# Altium PCB V1.PcbDoc (part 1 of 2)
Units mm, origin at the board's own origin, x right, y up, seen from the top; angles counter-clockwise.
Board outline 284.69 x 94.19 mm, 2 copper layers (Top Layer, Bottom Layer); 180 components, 112 nets, 773 pads, 156 vias.
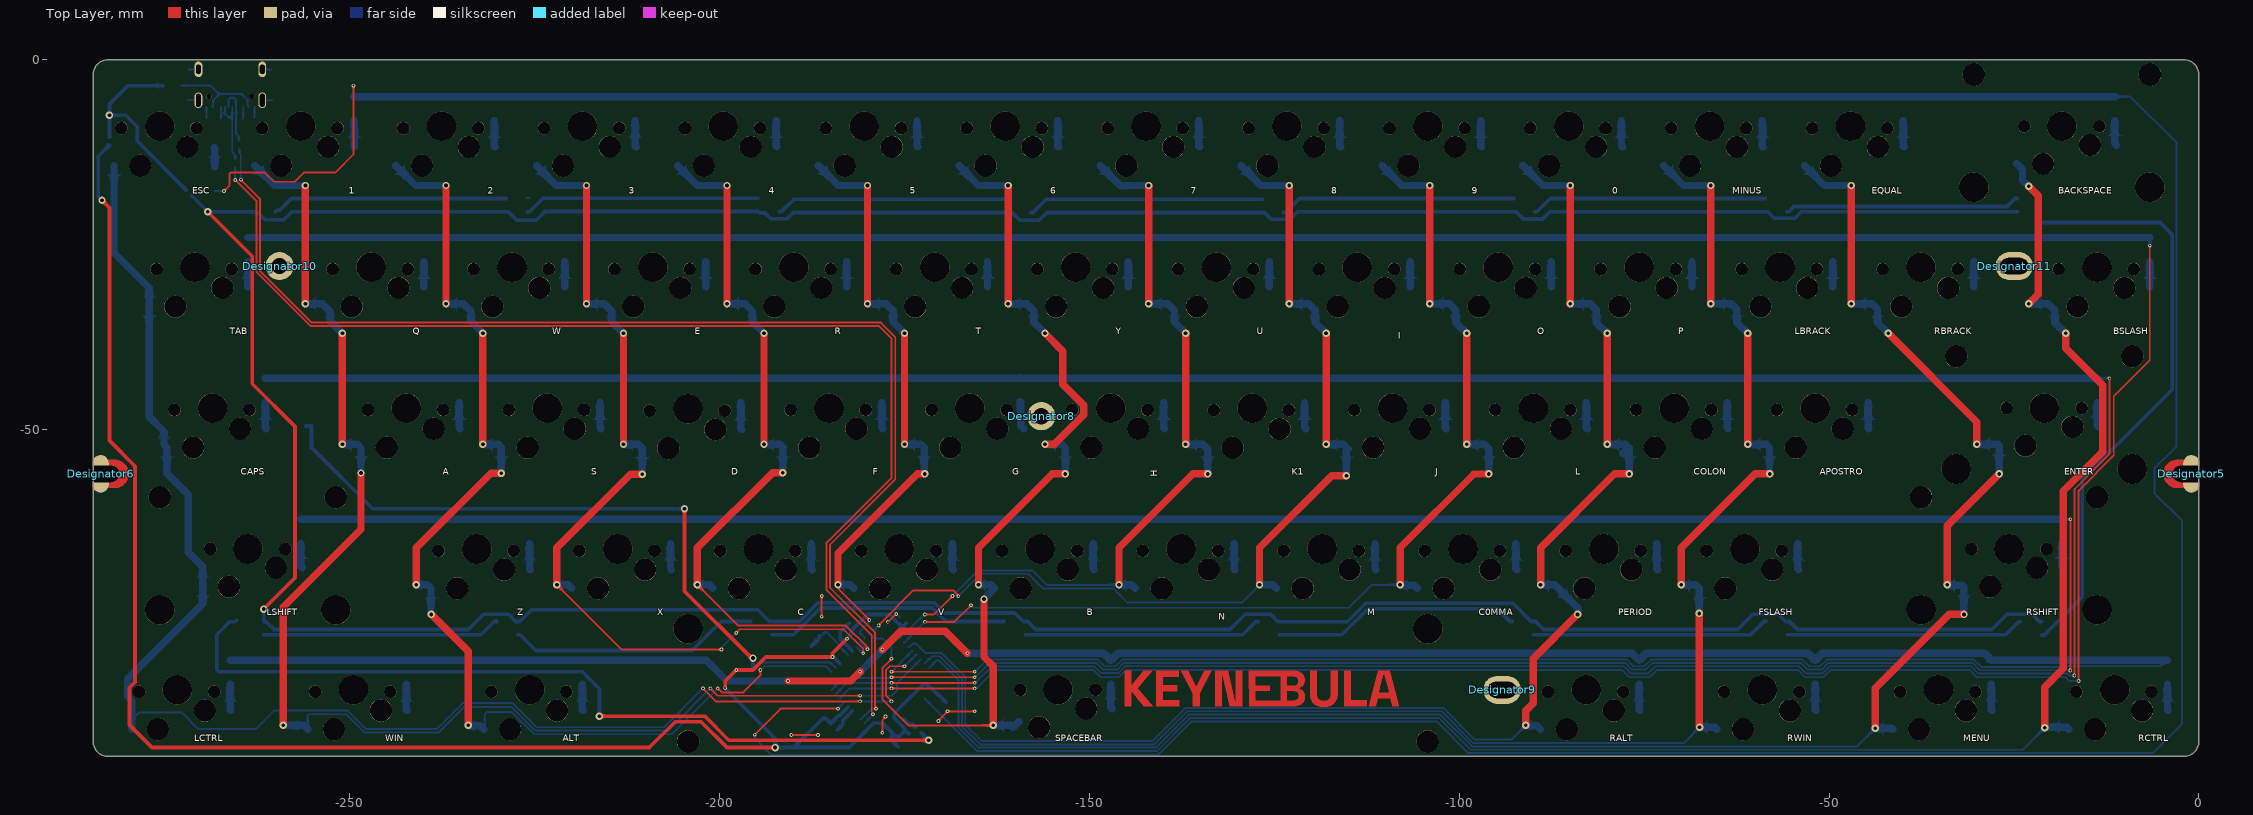
[diagram p0: Top Layer view]
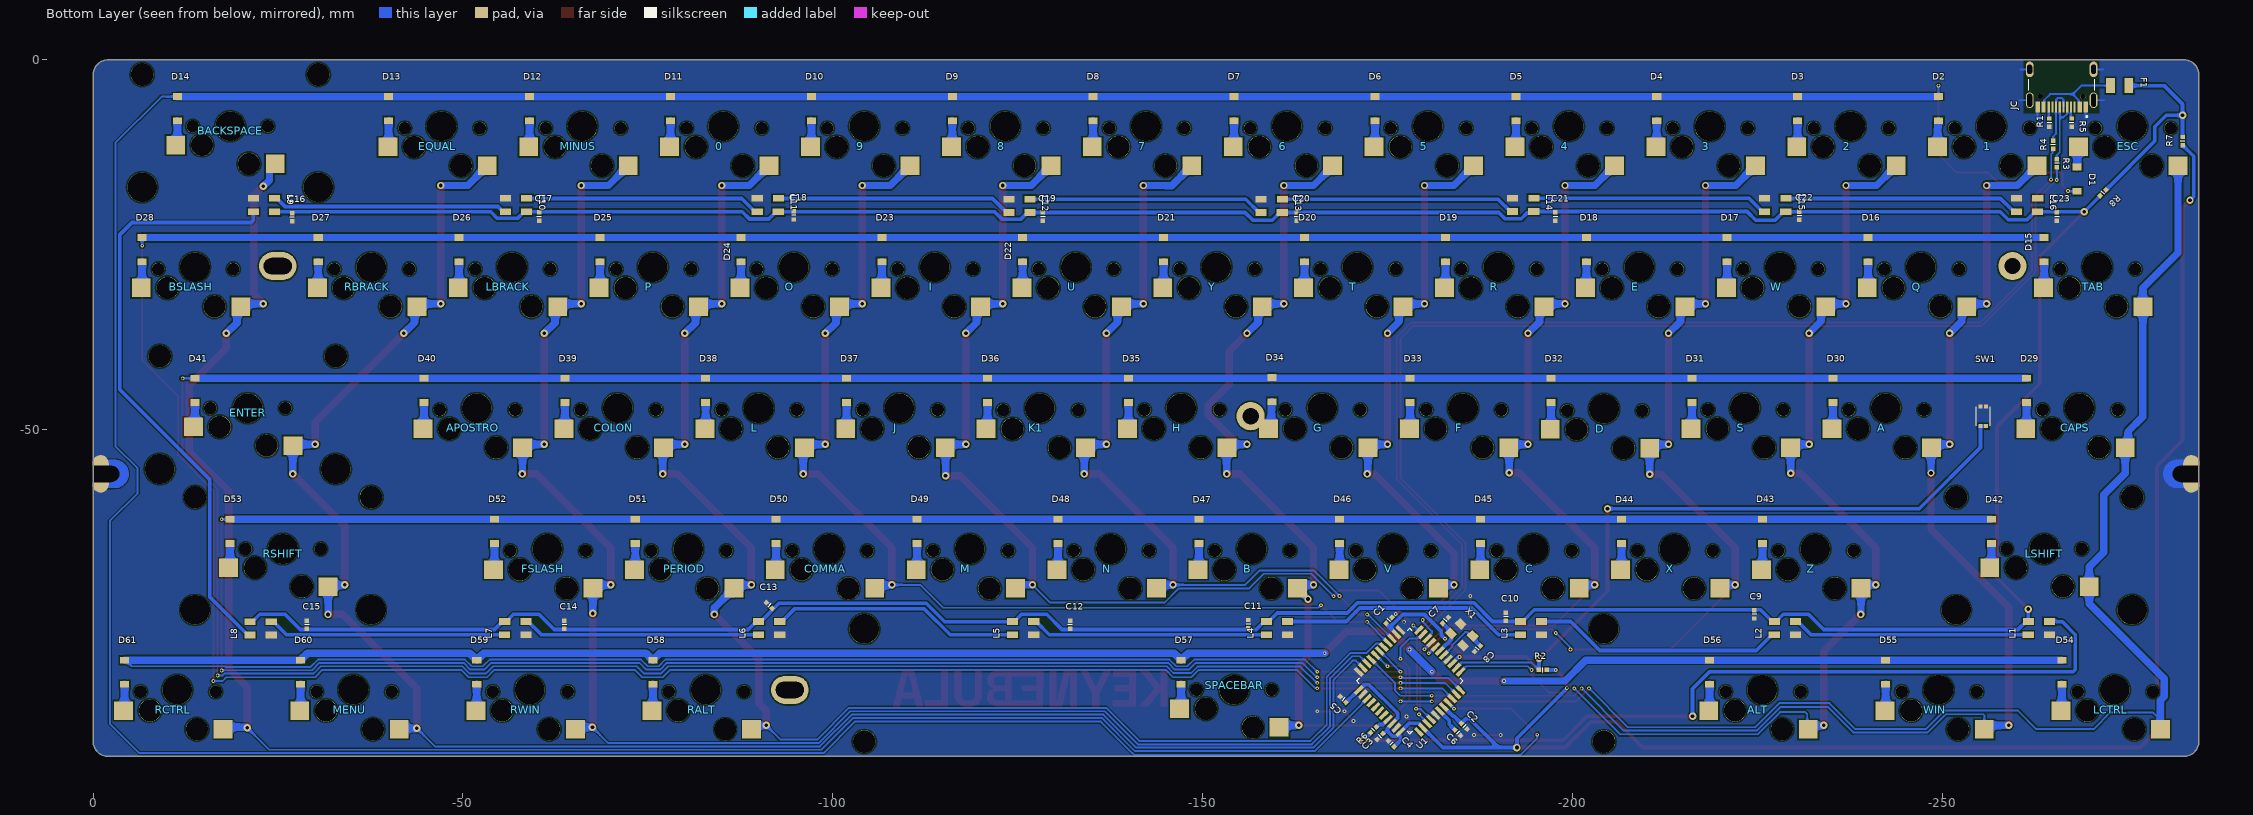
[diagram p1: Bottom Layer view, seen from below]
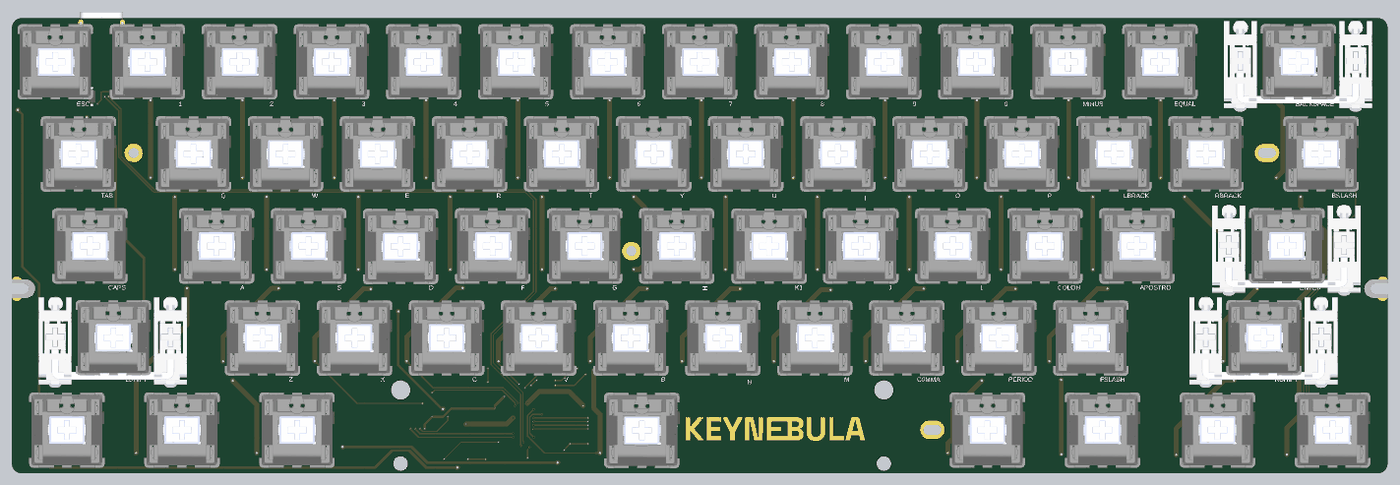
[diagram p3: 3D render of the assembled board from above, using the file's embedded part models]
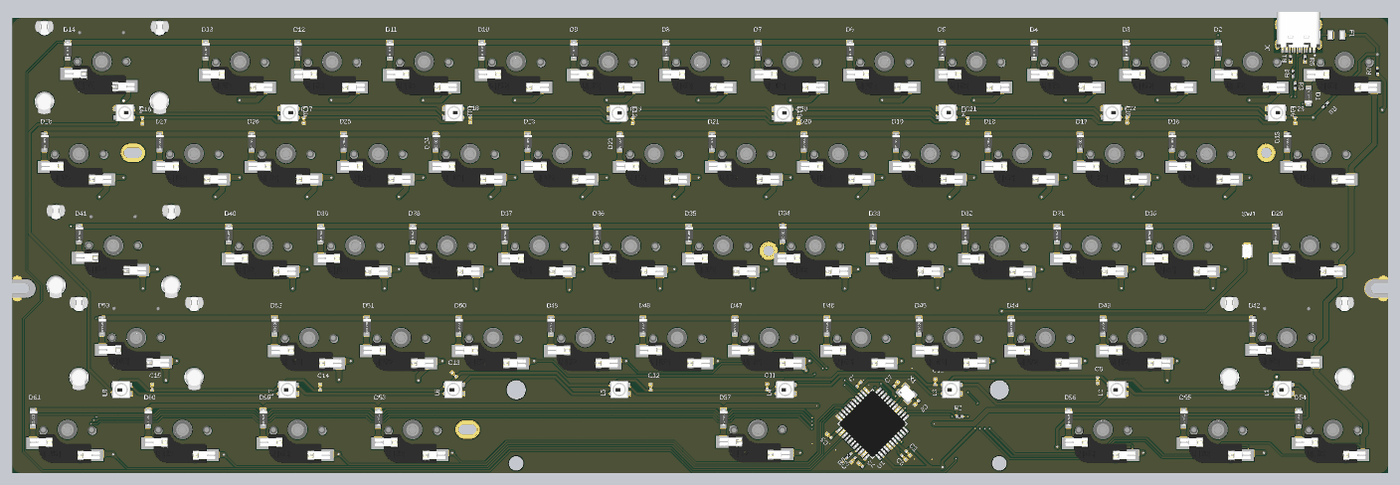
[diagram p4: 3D render of the assembled board from below, using the file's embedded part models]

## Layer stack, top to bottom
Top Solder: solder mask 0.0102, Solder Resist, Dk 3.5
Top Layer: signal copper 0.0356
Dielectric 1: dielectric 0.32, FR-4, Dk 4.8
Bottom Layer: signal copper 0.0356
Bottom Solder: solder mask 0.0102, Solder Resist, Dk 3.5

## Board outline
-284.693,-92.2 ccw(c-282.7,-92.2) -282.7,-94.193 -2,-94.193 ccw(c-2,-92.2) -0.006,-92.2 -0.006,-2 ccw(c-2,-2) -1.999,-0.007 -261.175,-0.007 -271.168,0 -282.7,-0.007 ccw(c-282.7,-2) -284.693,-2

## Design rules (kind name [scope] priority, off if disabled: settings)
Clearance [All] p1: gap=0.2 ignorepadtopadclearanceinfootprint=FALSE
ComponentClearance [All] p1: gap=0.1 collisioncheckmode=3 verticalgap=0.254 showdistances=FALSE
MatchedLengths MatchedLengths_USB_DiffPairs [All] p1: tolerance=0.127 checknetsindiffpair=TRUE checkdiffpairvsdiffpair=FALSE checkxsignals=FALSE checkothers=FALSE
PolygonConnect [All] p1: connectstyle=Direct reliefconductorwidth=0.254 reliefentries=4 polygonreliefangle="90 Angle" airgapwidth=0.254
RoomDefinition U_ControllerUSBC [InComponentClass('U_ControllerUSBC')] p1: confinementstyle=ConfineIn formatcopy=TRUE lockcomponents=FALSE outline 1.103,-92.65 94.103,-92.65 94.103,-87.4 1.103,-87.4
RoomDefinition U_KeyMatrix [InComponentClass('U_KeyMatrix')] p2: confinementstyle=ConfineOut formatcopy=TRUE lockcomponents=FALSE outline -149.75,199.25 873.235,199.25 873.235,216.776 -149.75,216.776
RoutingVias [All] p1: holewidth=0.5 width=1 viastyle="Through Hole" minholewidth=0.25 minwidth=0.5 maxholewidth=0.711 maxwidth=1.27
SolderMaskExpansion [All] p1: expansion=0.102 istentingtop=FALSE
Width [All] p1: maxlimit=2 minlimit=0.15 preferedwidth=0.254
29 further rules are at their usual default settings.

## Classes and differential pairs
component class U_ControllerUSBC: C1 C2 C3 C4 C5 C6 C7 C8 C9 C10 C11 C12 C13 C14 C15 C17 C18 C19 C20 C21 C22 C23 F1 JC L1 L2 L3 L4 L5 L6 L7 L8 L9 L10 L11 L12 L13 L14 L15 L16 R1 R2 R3 R4 R5 R6 R7 R8 SW1 U1 X1
component class U_KeyMatrix: 0 1 2 3 4 5 6 7 8 9 A ALT APOSTRO B BACKSPACE BSLASH C C0MMA CAPS COLON D D1 D2 D3 D4 D5 D6 D7 D8 D9 D10 D11 D12 D13 D14 D15 D16 D17 D18 D19 D20 D21 D22 D23 D24 D25 D26 D27 D28 D29 D30 D31 D32 D33 D34 D35 D36 D37 D38 D39 D40 D41 D42 D43 D44 D45 D46 D47 D48 D49 D50 D51 D52 D53 D54 D55 D56 D57 D58 D59 D60 D61 E ENTER EQUAL ESC F FSLASH G H I J K1 L LBRACK LCTRL LSHIFT M MENU MINUS N O P PERIOD Q R RALT RBRACK RCTRL RSHIFT RWIN S SPACEBAR T TAB U V W WIN X Y Z

## Components (designator, comment, footprint, x,y, rotation, side; value= is the part's Value field where it differs from the comment)
0 "KEYSWITCH-PLAIN-MXHSPCB-1U" MXHSPCB-1U -89.391,-9.254 r180 top
1 "KEYSWITCH-PLAIN-MXHSPCB-1U" MXHSPCB-1U -260.841,-9.254 r180 top
2 "KEYSWITCH-PLAIN-MXHSPCB-1U" MXHSPCB-1U -241.791,-9.254 r180 top
3 "KEYSWITCH-PLAIN-MXHSPCB-1U" MXHSPCB-1U -222.741,-9.254 r180 top
4 "KEYSWITCH-PLAIN-MXHSPCB-1U" MXHSPCB-1U -203.691,-9.254 r180 top
5 "KEYSWITCH-PLAIN-MXHSPCB-1U" MXHSPCB-1U -184.641,-9.254 r180 top
6 "KEYSWITCH-PLAIN-MXHSPCB-1U" MXHSPCB-1U -165.591,-9.254 r180 top
7 "KEYSWITCH-PLAIN-MXHSPCB-1U" MXHSPCB-1U -146.541,-9.254 r180 top
8 "KEYSWITCH-PLAIN-MXHSPCB-1U" MXHSPCB-1U -127.491,-9.254 r180 top
9 "KEYSWITCH-PLAIN-MXHSPCB-1U" MXHSPCB-1U -108.441,-9.254 r180 top
A "KEYSWITCH-PLAIN-MXHSPCB-1U" MXHSPCB-1U -246.553,-47.354 r180 top
ALT "KEYSWITCH-PLAIN-MXHSPCB-1U" MXHSPCB-1U -229.885,-85.454 r180 top
APOSTRO "KEYSWITCH-PLAIN-MXHSPCB-1U" MXHSPCB-1U -56.053,-47.354 r180 top
B "KEYSWITCH-PLAIN-MXHSPCB-1U" MXHSPCB-1U -160.828,-66.404 r180 top
BACKSPACE "KEYSWITCH-PLAIN-MXHSPCB-2U" MXHSPCB-2U-LEDHOLE -18.525,-9 r180 top
BSLASH "KEYSWITCH-PLAIN-MXHSPCB-1U" MXHSPCB-1U -17.953,-28.304 r180 top
C "KEYSWITCH-PLAIN-MXHSPCB-1U" MXHSPCB-1U -198.928,-66.404 r180 top
C0MMA "KEYSWITCH-PLAIN-MXHSPCB-1U" MXHSPCB-1U -103.678,-66.404 r180 top
C1 "0.1UF" C0402 -175.2,-75.8 r315 bottom
C2 "0.1UF" C0402 -185.375,-90.125 r45 bottom
C3 "0.1UF" C0402 -174,-91.5 r135 bottom
C4 "0.1UF" C0402 -175.5,-92.5 r225 bottom
C5 "10UF" C0402 -169,-86.5 r225 bottom
C6 "1UF" C0402 -184.5,-91 r45 bottom
C7 "22pF" C0402 -182.85,-75.8 r135 bottom
C8 "22pF" C0402 -187.175,-79.65 r315 bottom
C9 "0.1UF" C0402 -224.6,-75 r270 bottom
C10 "0.1UF" C0402 -191,-75.3 r90 bottom
C11 "0.1UF" C0402 -156.2,-76.3 r90 bottom
C12 "0.1UF" C0402 -132.1,-76.4 r90 bottom
C13 "0.1UF" C0402 -91.4,-73.8 r45 bottom
C14 "0.1UF" C0402 -63.7,-76.4 r90 bottom
C15 "0.1UF" C0402 -28.9,-76.4 r90 bottom
C16 "0.1UF" C0402 -26.9,-21.3 r270 bottom
C17 "0.1UF" C0402 -60.3,-21.2 r270 bottom
C18 "0.1UF" C0402 -94.725,-21.05 r270 bottom
C19 "0.1UF" C0402 -128.4,-21.2 r270 bottom
C20 "0.1UF" C0402 -162.7,-21.2 r270 bottom
C21 "0.1UF" C0402 -197.7,-21.2 r270 bottom
C22 "0.1UF" C0402 -230.7,-21.1 r270 bottom
C23 "0.1UF" C0402 -265.5,-21.2 r270 bottom
CAPS "KEYSWITCH-PLAIN-MXHSPCB-1U" MXHSPCB-1U -272.747,-47.354 r180 top
COLON "KEYSWITCH-PLAIN-MXHSPCB-1U" MXHSPCB-1U -75.103,-47.354 r180 top
D "KEYSWITCH-PLAIN-MXHSPCB-1U" MXHSPCB-1U -208.466,-47.454 r180 top
D1 "Standard 1N4148 diode" SOD-123 -268.25,-16.135 r270 bottom
D2 "Standard 1N4148 diode" SOD-123 -249.506,-6.619 r90 bottom
D3 "Standard 1N4148 diode" SOD-123 -230.456,-6.619 r90 bottom
D4 "Standard 1N4148 diode" SOD-123 -211.406,-6.619 r90 bottom
D5 "Standard 1N4148 diode" SOD-123 -192.356,-6.619 r90 bottom
D6 "Standard 1N4148 diode" SOD-123 -173.306,-6.619 r90 bottom
D7 "Standard 1N4148 diode" SOD-123 -154.256,-6.619 r90 bottom
D8 "Standard 1N4148 diode" SOD-123 -135.206,-6.619 r90 bottom
D9 "Standard 1N4148 diode" SOD-123 -116.156,-6.619 r90 bottom
D10 "Standard 1N4148 diode" SOD-123 -97.106,-6.619 r90 bottom
D11 "Standard 1N4148 diode" SOD-123 -78.056,-6.619 r90 bottom
D12 "Standard 1N4148 diode" SOD-123 -59.006,-6.619 r90 bottom
D13 "Standard 1N4148 diode" SOD-123 -39.956,-6.619 r90 bottom
D14 "Standard 1N4148 diode" SOD-123 -11.381,-6.619 r90 bottom
D15 "Standard 1N4148 diode" SOD-123 -263.794,-25.669 r90 bottom
D16 "Standard 1N4148 diode" SOD-123 -239.981,-25.669 r90 bottom
D17 "Standard 1N4148 diode" SOD-123 -220.931,-25.669 r90 bottom
D18 "Standard 1N4148 diode" SOD-123 -201.881,-25.669 r90 bottom
D19 "Standard 1N4148 diode" SOD-123 -182.831,-25.669 r90 bottom
D20 "Standard 1N4148 diode" SOD-123 -163.781,-25.669 r90 bottom
D21 "Standard 1N4148 diode" SOD-123 -144.731,-25.669 r90 bottom
D22 "Standard 1N4148 diode" SOD-123 -125.681,-25.669 r90 bottom
D23 "Standard 1N4148 diode" SOD-123 -106.631,-25.669 r90 bottom
D24 "Standard 1N4148 diode" SOD-123 -87.581,-25.669 r90 bottom
D25 "Standard 1N4148 diode" SOD-123 -68.531,-25.669 r90 bottom
D26 "Standard 1N4148 diode" SOD-123 -49.481,-25.669 r90 bottom
D27 "Standard 1N4148 diode" SOD-123 -30.431,-25.669 r90 bottom
D28 "Standard 1N4148 diode" SOD-123 -6.619,-25.669 r90 bottom
D29 "Standard 1N4148 diode" SOD-123 -261.412,-44.719 r90 bottom
D30 "Standard 1N4148 diode" SOD-123 -235.219,-44.719 r90 bottom
D31 "Standard 1N4148 diode" SOD-123 -216.169,-44.719 r90 bottom
D32 "Standard 1N4148 diode" SOD-123 -197.119,-44.719 r90 bottom
D33 "Standard 1N4148 diode" SOD-123 -178.069,-44.719 r90 bottom
D34 "Standard 1N4148 diode" SOD-123 -159.4,-44.6 r90 bottom
D35 "Standard 1N4148 diode" SOD-123 -139.969,-44.719 r90 bottom
D36 "Standard 1N4148 diode" SOD-123 -120.919,-44.719 r90 bottom
D37 "Standard 1N4148 diode" SOD-123 -101.869,-44.719 r90 bottom
D38 "Standard 1N4148 diode" SOD-123 -82.819,-44.719 r90 bottom
D39 "Standard 1N4148 diode" SOD-123 -63.769,-44.719 r90 bottom
D40 "Standard 1N4148 diode" SOD-123 -44.719,-44.719 r90 bottom
D41 "Standard 1N4148 diode" SOD-123 -13.762,-44.719 r90 bottom
D42 "Standard 1N4148 diode" SOD-123 -256.65,-63.769 r90 bottom
D43 "Standard 1N4148 diode" SOD-123 -225.694,-63.769 r90 bottom
D44 "Standard 1N4148 diode" SOD-123 -206.644,-63.769 r90 bottom
D45 "Standard 1N4148 diode" SOD-123 -187.594,-63.769 r90 bottom
D46 "Standard 1N4148 diode" SOD-123 -168.544,-63.769 r90 bottom
D47 "Standard 1N4148 diode" SOD-123 -149.494,-63.769 r90 bottom
D48 "Standard 1N4148 diode" SOD-123 -130.444,-63.769 r90 bottom
D49 "Standard 1N4148 diode" SOD-123 -111.394,-63.769 r90 bottom
D50 "Standard 1N4148 diode" SOD-123 -92.344,-63.769 r90 bottom
D51 "Standard 1N4148 diode" SOD-123 -73.294,-63.769 r90 bottom
D52 "Standard 1N4148 diode" SOD-123 -54.244,-63.769 r90 bottom
D53 "Standard 1N4148 diode" SOD-123 -18.525,-63.769 r90 bottom
D54 "Standard 1N4148 diode" SOD-123 -266.175,-82.819 r90 bottom
D55 "Standard 1N4148 diode" SOD-123 -242.362,-82.819 r90 bottom
D56 "Standard 1N4148 diode" SOD-123 -218.55,-82.819 r90 bottom
D57 "Standard 1N4148 diode" SOD-123 -147.112,-82.819 r90 bottom
D58 "Standard 1N4148 diode" SOD-123 -75.675,-82.819 r90 bottom
D59 "Standard 1N4148 diode" SOD-123 -51.862,-82.819 r90 bottom
D60 "Standard 1N4148 diode" SOD-123 -28.05,-82.819 r90 bottom
D61 "Standard 1N4148 diode" SOD-123 -4.237,-82.819 r90 bottom
Designator5 "Comment" "SCREWHOLE M2_STRANGE" -1,-56 r0 top
Designator6 "Comment" "SCREWHOLE M2_STRANGE" -283.7,-56 r180 top
Designator8 "Comment" "Srewhole m2" -156.5,-48.2 r0 top
Designator9 "Comment" "SCREWHOLE M2_Short" -94.2,-85.2 r0 top
Designator10 "Comment" "Srewhole m2" -259.5,-27.9 r0 top
Designator11 "Comment" "SCREWHOLE M2_Short" -24.95,-27.9 r0 top
E "KEYSWITCH-PLAIN-MXHSPCB-1U" MXHSPCB-1U -213.216,-28.304 r180 top
ENTER "KEYSWITCH-PLAIN-MXHSPCB-2U" MXHSPCB-2U-LEDHOLE -20.906,-47.1 r180 top
EQUAL "KEYSWITCH-PLAIN-MXHSPCB-1U" MXHSPCB-1U -51.291,-9.254 r180 top
ESC "KEYSWITCH-PLAIN-MXHSPCB-1U" MXHSPCB-1U -279.891,-9.254 r180 top
F "KEYSWITCH-PLAIN-MXHSPCB-1U" MXHSPCB-1U -189.403,-47.354 r180 top
F1 "1.1A" F1206 -274,-3.5 r180 bottom
FSLASH "KEYSWITCH-PLAIN-MXHSPCB-1U" MXHSPCB-1U -65.578,-66.404 r180 top
G "KEYSWITCH-PLAIN-MXHSPCB-1U" MXHSPCB-1U -170.353,-47.354 r180 top
H "KEYSWITCH-PLAIN-MXHSPCB-1U" MXHSPCB-1U -151.303,-47.354 r180 top
I "KEYSWITCH-PLAIN-MXHSPCB-1U" MXHSPCB-1U -117.966,-28.304 r180 top
J "KEYSWITCH-PLAIN-MXHSPCB-1U" MXHSPCB-1U -113.203,-47.354 r180 top
JC "TYPE-C-31-M-12" HRO_TYPE-C-31-M-12 -266.15,-1.3 r0 bottom
K1 "KEYSWITCH-PLAIN-MXHSPCB-1U" MXHSPCB-1U -132.191,-47.379 r180 top
L "KEYSWITCH-PLAIN-MXHSPCB-1U" MXHSPCB-1U -94.153,-47.354 r180 top
L1 "WS2812B3535" NEOPIXEL3535 -262.05,-76.1 r0 bottom
L2 "WS2812B3535" NEOPIXEL3535 -227.717,-76.1 r0 bottom
L3 "WS2812B3535" NEOPIXEL3535 -193.384,-76.1 r0 bottom
L4 "WS2812B3535" NEOPIXEL3535 -159.051,-76.1 r0 bottom
L5 "WS2812B3535" NEOPIXEL3535 -124.717,-76.1 r0 bottom
L6 "WS2812B3535" NEOPIXEL3535 -90.384,-76.1 r0 bottom
L7 "WS2812B3535" NEOPIXEL3535 -56.051,-76.1 r0 bottom
L8 "WS2812B3535" NEOPIXEL3535 -21.625,-76.125 r0 bottom
L9 "WS2812B3535" NEOPIXEL3535 -24.125,-20.4 r180 bottom
L10 "WS2812B3535" NEOPIXEL3535 -58.179,-20.4 r180 bottom
L11 "WS2812B3535" NEOPIXEL3535 -92.232,-20.4 r180 bottom
L12 "WS2812B3535" NEOPIXEL3535 -126.25,-20.5 r180 bottom
L13 "WS2812B3535" NEOPIXEL3535 -160.375,-20.5 r180 bottom
L14 "WS2812B3535" NEOPIXEL3535 -194.375,-20.375 r180 bottom
L15 "WS2812B3535" NEOPIXEL3535 -228.446,-20.4 r180 bottom
L16 "WS2812B3535" NEOPIXEL3535 -262.5,-20.4 r180 bottom
LBRACK "KEYSWITCH-PLAIN-MXHSPCB-1U" MXHSPCB-1U -60.816,-28.304 r180 top
LCTRL "KEYSWITCH-PLAIN-MXHSPCB-1U" MXHSPCB-1U -277.51,-85.454 r180 top
LSHIFT "KEYSWITCH-PLAIN-MXHSPCB-2U" MXHSPCB-2U-LEDHOLE -263.794,-66.15 r180 top
M "KEYSWITCH-PLAIN-MXHSPCB-1U" MXHSPCB-1U -122.728,-66.404 r180 top
MENU "KEYSWITCH-PLAIN-MXHSPCB-1U" MXHSPCB-1U -39.385,-85.454 r180 top
MINUS "KEYSWITCH-PLAIN-MXHSPCB-1U" MXHSPCB-1U -70.341,-9.254 r180 top
N "KEYSWITCH-PLAIN-MXHSPCB-1U" MXHSPCB-1U -141.778,-66.404 r180 top
O "KEYSWITCH-PLAIN-MXHSPCB-1U" MXHSPCB-1U -98.916,-28.304 r180 top
P "KEYSWITCH-PLAIN-MXHSPCB-1U" MXHSPCB-1U -79.866,-28.304 r180 top
PERIOD "KEYSWITCH-PLAIN-MXHSPCB-1U" MXHSPCB-1U -84.628,-66.404 r180 top
Q "KEYSWITCH-PLAIN-MXHSPCB-1U" MXHSPCB-1U -251.316,-28.304 r180 top
R "KEYSWITCH-PLAIN-MXHSPCB-1U" MXHSPCB-1U -194.166,-28.304 r180 top
R1 "resistor" R0402 -267.5,-8.5 r90 bottom
R2 "resistor" R0402 -196,-82.5 r180 bottom
R3 "resistor" R0402 -265.5,-14 r270 bottom
R4 "resistor" R0402 -265,-11.5 r270 bottom
R5 "resistor" R0402 -264.5,-8.5 r270 bottom
R6 "resistor" R0402 -173.1,-90.6 r135 bottom
R7 "0 Ohm" R0402 -282.5,-11 r270 bottom
R8 "0 Ohm" R0402 -271.75,-18 r315 bottom
RALT "KEYSWITCH-PLAIN-MXHSPCB-1U" MXHSPCB-1U -87.01,-85.454 r180 top
RBRACK "KEYSWITCH-PLAIN-MXHSPCB-1U" MXHSPCB-1U -41.766,-28.304 r180 top
RCTRL "KEYSWITCH-PLAIN-MXHSPCB-1U" MXHSPCB-1U -15.572,-85.454 r180 top
RSHIFT "KEYSWITCH-PLAIN-MXHSPCB-2U" MXHSPCB-2U-LEDHOLE -25.67,-66.15 r180 top
RWIN "KEYSWITCH-PLAIN-MXHSPCB-1U" MXHSPCB-1U -63.197,-85.454 r180 top
S "KEYSWITCH-PLAIN-MXHSPCB-1U" MXHSPCB-1U -227.503,-47.354 r180 top
SPACEBAR "KEYSWITCH-PLAIN-MXHSPCB-6.25U" MXHSPCB-6.25U-FLIPPED -154.256,-85.2 r180 top
SW1 "Switch_Tactile_EVP" SW_EVP-BB2A9B000 -255.55,-48.2 r270 bottom
T "KEYSWITCH-PLAIN-MXHSPCB-1U" MXHSPCB-1U -175.116,-28.304 r180 top
TAB "KEYSWITCH-PLAIN-MXHSPCB-1U" MXHSPCB-1U -275.128,-28.304 r180 top
U "KEYSWITCH-PLAIN-MXHSPCB-1U" MXHSPCB-1U -137.016,-28.304 r180 top
U1 "ATMEGA32U4-AU" QFPN_ATMEGA32U4-44N -178,-84 r45 bottom
V "KEYSWITCH-PLAIN-MXHSPCB-1U" MXHSPCB-1U -179.878,-66.404 r180 top
W "KEYSWITCH-PLAIN-MXHSPCB-1U" MXHSPCB-1U -232.266,-28.304 r180 top
WIN "KEYSWITCH-PLAIN-MXHSPCB-1U" MXHSPCB-1U -253.697,-85.454 r180 top
X "KEYSWITCH-PLAIN-MXHSPCB-1U" MXHSPCB-1U -217.978,-66.404 r180 top
X1 "16MHz" CRYSTAL-3.2X2.5 -185.06,-77.735 r225 bottom
Y "KEYSWITCH-PLAIN-MXHSPCB-1U" MXHSPCB-1U -156.066,-28.304 r180 top
Z "KEYSWITCH-PLAIN-MXHSPCB-1U" MXHSPCB-1U -237.028,-66.404 r180 top

## Footprints (in the part's own frame and the unit in brackets; to place one, negate y for a bottom-side part, rotate by r counter-clockwise, add the part's x,y. Pads: shape width x height; smd on the part's side, far side on the other; paste and mask are expansions set on the pad)
C0402 [mm]
  rect 0.6x0.6 smd: 1(-0.55,0) 2(0.55,0)
  silkscreen extent 0,-0.3 0,0.3, body extent -0.45,-0.25 0.55,0.25, height 0.51
CRYSTAL-3.2X2.5 [mm]
  rect 1.3x1.05 smd: 1(-1.15,-0.925) 2(1.15,-0.925) 3(1.15,0.925) 4(-1.15,0.925)
  body extent -1.6,-1.28 1.6,1.22, height 0.82
F1206 [mm]
  rect 1.185x2.05 smd: 1(-1.232,0) 2(1.233,0)
  body extent -1.59,-0.79 1.59,0.78, height 1.58
HRO_TYPE-C-31-M-12 [mm]
  rect 0.6x1.45 smd: A1B12(-3.25,5.095) A4B9(-2.45,5.095) B1A12(3.25,5.095) B4A9(2.45,5.095)
  rect 0.3x1.45 smd: A5(-1.25,5.095) A6(-0.25,5.095) A7(0.25,5.095) A8(1.25,5.095) B5(1.75,5.095) B6(0.75,5.095) B7(-0.75,5.095) B8(-1.75,5.095)
  oval 1.05x2.1 hole 0.65 slot 1.75 at 90 deg: S1(-4.32,4.18) S2(4.32,4.18)
  oval 1.05x2.1 hole 0.65 slot 1.25 at 90 deg: S3(-4.32,0) S4(4.32,0)
  round 0.7 hole 0.7 unplated: ""(-2.89,3.65) ""(2.89,3.65)
  silkscreen extent -4.47,1.37 4.47,6.5, body extent -4.47,-2.54 4.48,5.36, height 3.16
MXHSPCB-1U [mm]
  round 4 hole 4 unplated: MH1(-4.191,-0.254)
  round 1.7 hole 1.7 unplated: MH2(-9.171,0) MH3(0.989,0)
  round 3 hole 3 unplated: MH4(-7.901,2.54) MH5(-1.551,5.08)
  rect 2.55x2.5 smd far side: MX1(-11.45,2.54) MX2(1.999,5.08)
  body extent -11.99,-8 3.61,7.6, height 15.21
MXHSPCB-2U-LEDHOLE [mm]
  round 4 hole 4 unplated: MH1(0,0) MH8(-11.9,8.24) MH8(11.9,8.24)
  round 1.7 hole 1.7 unplated: MH2(-5.08,0) MH3(5.08,0)
  round 3 hole 3 unplated: MH4(-3.81,2.54) MH5(2.54,5.08)
  round 3.05 hole 3.05 unplated: MH7(-11.9,-7) MH7(11.9,-7)
  rect 2.55x2.5 smd far side: MX1(-7.36,2.54) MX2(6.09,5.08)
  body extent -15.33,-8.33 15.37,10.87, height 15.21
MXHSPCB-6.25U-FLIPPED [mm]
  round 4 hole 4 unplated: MH1(0,0) MH8(-50,-8.24) MH9(50,-8.24)
  round 1.7 hole 1.7 unplated: MH2(-5.08,0) MH3(5.08,0)
  round 3 hole 3 unplated: MH4(-3.81,2.54) MH5(2.54,5.08)
  round 3.05 hole 3.05 unplated: MH6(-50,7) MH7(50,7)
  rect 2.55x2.5 smd far side: MX1(-7.36,2.54) MX2(6.09,5.08)
  body extent -7.89,-7.67 7.87,7.93, height 15.21
NEOPIXEL3535 [mm]
  rect 1.5x0.9 smd: 1-VDD(0.4,-0.15) 2-DOUT(0.418,1.65) 3-GND(-2.45,1.65) 4-DIN(-2.45,-0.15)
  body extent -2.71,-0.94 0.96,2.54, height 1.96
QFPN_ATMEGA32U4-44N [mil]
  rect 58x20 smd: 1(-226,157) 2(-226,126) 3(-226,94) 4(-226,63) 5(-226,31) 6(-226,0) 7(-226,-31) 8(-226,-63) 9(-226,-94) 10(-226,-126) 11(-226,-157) 23(226,-157) 24(226,-126) 25(226,-94) 26(226,-63) 27(226,-31) 28(226,0) 29(226,31) 30(226,63) 31(226,94) 32(226,126) 33(226,157)
  rect 20x58 smd: 12(-157,-226) 13(-126,-226) 14(-94,-226) 15(-63,-226) 16(-31,-226) 17(0,-226) 18(31,-226) 19(63,-226) 20(94,-226) 21(126,-226) 22(157,-226) 34(157,226) 35(126,226) 36(94,226) 37(63,226) 38(31,226) 39(0,226) 40(-31,226) 41(-63,226) 42(-94,226) 43(-126,226) 44(-157,226)
  silkscreen extent -199,-199 199,199, body extent -236,-237 236,235, height 40
R0402 [mm]
  rect 0.6x0.6 smd: 1(-0.55,0) 2(0.55,0)
  silkscreen extent 0,-0.3 0,0.3, body extent -0.6,-0.25 0.6,0.25, height 0.35
"SCREWHOLE M2_Short" [mm]
  oval 5.08x3.81 hole 2.2 slot 3.81 at 0 deg unplated: 4(0,0)
"SCREWHOLE M2_STRANGE" [mil]
  oval 87.6x201 hole 86.6 slot 200 at 0 deg unplated: 4(0,0)
  Top Layer region: -150,0 -144.29,-28.7 -128.03,-53.03 -103.7,-69.29 -75,-75 -75,-75 39.12,-75 39.12,2.95 39.12,75 -75,75 -103.7,69.29 -128.03,53.03 -144.29,28.7 -150,0
  Bottom Layer region: -150,0 -144.29,-28.7 -128.03,-53.03 -103.7,-69.29 -75,-75 -75,-75 39.12,-75 39.12,2.95 39.12,75 -75,75 -103.7,69.29 -128.03,53.03 -144.29,28.7 -150,0
SOD-123 [mm]
  rect 0.91x1.22 smd: A(-1.635,0) C(1.635,0)
  body extent -1.83,-0.94 2.02,0.76, height 0.92
"Srewhole m2" [mm]
  round 3.81 hole 2.2: M2_*(0,0)
SW_EVP-BB2A9B000 [mm]
  rect 0.55x0.55 smd paste-1: A(-1.325,-0.375) A(-1.325,0.375) B(1.325,-0.375) B(1.325,0.375)
  silkscreen extent -1.3,-0.96 1.3,0.96, body extent -1.5,-0.95 1.5,0.85, height 0.54

## Part data
0 1 2 3 4 5 6 7 8 9 A ALT APOSTRO B BACKSPACE BSLASH C C0MMA CAPS COLON D E ENTER EQUAL ESC F FSLASH G H I J K1 L LBRACK LCTRL LSHIFT M MENU MINUS N O P PERIOD Q R RALT RBRACK RCTRL RSHIFT RWIN S SPACEBAR T TAB U V W WIN X Y Z: Package=MXHSPCB-1U, DeviceName=-MXHSPCB-1U, DeviceSetName=KEYSWITCH-PLAIN, GateName_1=G$1, LibraryName=Keyboard, SymbolName_1=KEYSWITCH-PLAIN
C1 C2 C3 C4 C5 C6 C7 C8 C9 C10 C11 C12 C13 C14 C15 C16 C17 C18 C19 C20 C21 C22 C23: library part C0402
D1 D2 D3 D4 D5 D6 D7 D8 D9 D10 D11 D12 D13 D14 D15 D16 D17 D18 D19 D20 D21 D22 D23 D24 D25 D26 D27 D28 D29 D30 D31 D32 D33 D34 D35 D36 D37 D38 D39 D40 D41 D42 D43 D44 D45 D46 D47 D48 D49 D50 D51 D52 D53 D54 D55 D56 D57 D58 D59 D60 D61: library part DIODE-SOD-123, Package=SOD-123, DeviceName=-SOD-123, DeviceSetName=DIODE, GateName_1=D$1, LibraryName=Components, SymbolName_1=DIODE
F1: library part "Fuse 1206"
JC: "USB Connectors 24 Receptacle 1 8.94*7.3mm RoHS", Package=Package, Availability=Unavailable, MF="HRO Electronics Co., Ltd.", MP=TYPE-C-31-M-12, price=None, SnapEDA_Link=https://www.snapeda.com/parts/TYPE-C-31-M-12/HRO%20Electronics%20Co.,%20Ltd./view-part/3228496/?ref=snap
L1 L2 L3 L4 L5 L6 L7 L8 L9 L10 L11 L12 L13 L14 L15 L16: Package=None, Availability=Unavailable, MF="SparkFun Electronics", MP=WS2812B, price=None, SnapEDA_Link=https://www.snapeda.com/parts/WS2812B/Worldsemi/view-part/1038297/?ref=snap
R5: "5.1k"
R7 R8: library part resistor
U1: "AVR AVRÂ® ATmega Microcontroller IC 8-Bit 16MHz 32KB _16K x 16_ FLASH 44-TQFP _10x10_", Package="TQFP-44 Microchip Technology", Availability=Unavailable, MF="Microchip Technology", MP=ATMEGA32U4-AU, price=None, SnapEDA_Link=https://www.snapeda.com/parts/ATMEGA32U4-AU/Microchip/view-part/4251478/?ref=snap
X1: library part "Crystal 3x2.5"

## Via types
v1: diameter 1, hole 0.5, Top Layer to Bottom Layer, tented both sides, 95 vias
v2: diameter 0.5, hole 0.25, Top Layer to Bottom Layer, tented both sides, 61 vias

## Nets (pads, with @x,y where several pads share a name; then routed paths per layer and width w, separated by ;. In a path a pad name is that pad's centre, name@x,y a point inside that pad or via, vN(x,y) a via of type N, cw(c..) or ccw(c..) an arc to the next point about the centre after c; other vN are vias at no path point)
DN: JC.A7 JC.B7 R3.1 | length 9.3
  Bottom Layer w0.254: JC.B7@-266.9,-6.395 -266.9,-7.3 -266.4,-7.8 -265.9,-7.8 ; JC.A7@-265.9,-6.395 -265.9,-7.8 ; R3.1@-265.5,-13.45 -265.5,-12.9 -265.9,-12.5 -265.9,-7.8
DP: JC.A6 JC.B6 R4.1 | length 7.9
  Bottom Layer w0.254: JC.A6@-266.4,-6.395 -266.4,-5.4 -266.2,-5.2 -265.6,-5.2 -265.4,-5.4 JC.B6@-265.4,-6.395 -265.377,-6.418 -265.377,-10.023 -265,-10.4 R4.1@-265,-10.95
GND: C1.1 C2.1 C3.1 C4.1 C5.1 C6.1 C7.2 C8.2 C9.2 C10.2 C11.2 C12.2 C13.2 C14.2 C15.2 C16.2 C17.2 C18.2 C19.2 C20.2 C21.2 C22.2 C23.2 Designator6.4 JC.A1B12 JC.B1A12 JC.S1 JC.S2 JC.S3 JC.S4 L1.3-GND L2.3-GND L3.3-GND L4.3-GND L5.3-GND L6.3-GND L7.3-GND L8.3-GND L9.3-GND L10.3-GND L11.3-GND L12.3-GND L13.3-GND L14.3-GND L15.3-GND L16.3-GND R1.1 R5.2 SW1.A U1.5 U1.15 U1.23 U1.33 U1.35 U1.43 X1.2 X1.4 | length 25.1
  Top Layer w0.254: v2(-190.3,-91.3) v2(-186.7,-91.3) ; v2(-186.2,-75.3) v2(-186.2,-72.5) ; v2(-178,-91) -178,-89.272 -177.57,-88.842 v2(-177.57,-88.81) ; v2(-177.25,-76) -177.21,-76 -176.16,-74.95 v2(-176.121,-74.95) ; v2(-170.4,-89.4) v2(-169.2,-88.1) v2(-165.5,-88.1)
  Bottom Layer w0.254: -271.895,-5.48 JC.S1@-270.47,-5.48 ; -271.725,-1.3 JC.S3@-270.47,-1.3 ; -269.4,-7.875 JC.A1B12@-269.4,-6.395 ; -262.9,-7.85 JC.B1A12@-262.9,-6.395 ; JC.S2@-261.83,-5.48 -260.445,-5.48 ; JC.S4@-261.83,-1.3 -260.55,-1.3 ; L15.3-GND@-226.035,-18.7 L15.3-GND@-225.743,-18.7 ; v2(-176.121,-74.95) -176.085,-74.95 -175.624,-75.411 C1.1@-175.589,-75.411
N: R3.2 U1.3 | length 163.7
  Top Layer w0.254: v2(-265.5,-16.25) -262.6,-19.15 -262.6,-28.5 -262.6,-28.742 -255.342,-36 -255.1,-36 -178.5,-36 -176.75,-37.75 -176.75,-56.5 -185.531,-65.281 -185.531,-71.719 -179.423,-77.827 -179.423,-88.26 -179.25,-88.433 v2(-179.25,-88.5)
  Bottom Layer w0.254: v2(-265.5,-16.25) R3.2@-265.5,-14.55 ; U1.3@-180.371,-89.747 -180.371,-89.621 v2(-179.25,-88.5)
Net0_MX1: 0.MX1 D11.A | length 3.6
  Bottom Layer w1: D11.A@-78.056,-8.254 -78.056,-11.678 0.MX1@-77.941,-11.794
Net0_MX2: 0.MX2 COLON.MX2 P.MX2 PERIOD.MX2 RALT.MX2 U1.27 | length 199.7
  Top Layer w1: v1(-91,-90) -91,-88 -90,-87 -90,-81 v1(-84,-75) ; v1(-89,-71) -89,-66 -79,-56 v1(-77,-56) ; v1(-85,-33) v1(-85,-17) ; v1(-80,-52) v1(-80,-37)
  Bottom Layer w0.254: U1.27@-174.498,-79.384 -174.318,-79.384 -173.847,-78.913 -173.464,-78.913 -172.357,-80.021 -172.178,-80.2 -170.05,-80.2 -166.796,-83.454 -166.796,-89.901 -164.59,-92.107 -141.425,-92.107 -136.956,-87.638 -102.186,-87.638 -97.89,-91.934 -92.934,-91.934 v1(-91,-90)
  Bottom Layer w1: 0.MX2@-91.39,-14.334 -91.365,-14.334 -90.615,-15.084 -90.615,-15.109 -88.724,-17 v1(-85,-17) ; v1(-91,-90) -90.948,-90.052 -89.491,-90.052 RALT.MX2@-89.009,-90.534 ; v1(-89,-71) -88.992,-71.008 -87.104,-71.008 PERIOD.MX2@-86.628,-71.484 -86.603,-71.484 -85.853,-72.234 -85.853,-72.259 -84,-74.112 v1(-84,-75) ; v1(-85,-33) -82.249,-33 P.MX2@-81.865,-33.384 -81.452,-33.798 -81.452,-35.548 v1(-80,-37) ; v1(-80,-52) -77.562,-52 -77.128,-52.434 -77.878,-53.184 COLON.MX2@-77.878,-53.209 ; COLON.MX2@-77.103,-52.434 -77,-52.537 v1(-77,-56)
Net1_MX1: 1.MX1 D2.A | length 3.6
  Bottom Layer w1: D2.A@-249.506,-8.254 -249.441,-8.254 -249.391,-8.304 1.MX1@-249.391,-11.794
Net1_MX2: 1.MX2 A.MX2 Q.MX2 U1.30 WIN.MX2 | length 188.5
  Top Layer w0.254: v2(-201.25,-85) -200.25,-86 -181.008,-86 v2(-180.992,-85.984)
  Top Layer w1: v1(-259,-90) -259,-74 -248.483,-63.483 v1(-248.483,-55.881) ; v1(-256,-33) v1(-256,-17) ; v1(-251,-52) v1(-251,-37)
  Bottom Layer w0.254: WIN.MX2@-255.697,-90.534 -255.697,-88.649 -255.548,-88.5 -250.49,-88.5 -248.04,-90.95 -247.942,-90.95 -247.938,-90.954 -238.062,-90.954 -238.058,-90.95 -237.95,-90.95 -234.5,-87.5 -228.142,-87.5 -224.938,-90.704 -206.954,-90.704 v2(-201.25,-85) ; v2(-180.992,-85.984) -180.976,-86 -176.75,-86 -176,-85.25 -176,-84.263 U1.30@-172.809,-81.072
  Bottom Layer w1: 1.MX2@-262.84,-14.334 -262.815,-14.334 -262.065,-15.084 -262.065,-15.109 -260.174,-17 v1(-256,-17) ; v1(-259,-90) -256.231,-90 WIN.MX2@-255.697,-90.534 ; v1(-256,-33) -253.699,-33 Q.MX2@-253.315,-33.384 -252.642,-34.057 -252.642,-35.357 v1(-251,-37) ; v1(-251,-52) -248.987,-52 A.MX2@-248.553,-52.434 -248.483,-52.503 v1(-248.483,-55.881)
Net2_MX1: 2.MX1 D3.A | length 3.6
  Bottom Layer w1: D3.A@-230.456,-8.254 -230.456,-11.678 2.MX1@-230.341,-11.794
Net2_MX2: 2.MX2 ALT.MX2 S.MX2 U1.12 W.MX2 Z.MX2 | length 153.6
  Top Layer w0.254: v2(-200.25,-85) -199.704,-85.546 -196.796,-85.546 -194.487,-83.237 v2(-194.487,-82.5)
  Top Layer w1: v1(-241,-71) -241,-66 -230.916,-55.916 v1(-229.512,-55.916) ; v1(-239,-75) -234,-80 v1(-234,-90) ; v1(-237,-33) v1(-237,-17) ; v1(-232,-52) v1(-232,-37)
  Bottom Layer w0.254: ALT.MX2@-231.75,-90.4 -231.75,-88.493 -231.457,-88.2 -228.084,-88.2 -225.084,-91.2 -206.45,-91.2 v2(-200.25,-85) ; v2(-194.487,-82.5) -193.993,-82.007 -185.633,-82.007 U1.12@-184.879,-82.761
  Bottom Layer w0.5: ALT.MX2@-231.884,-90.534 ALT.MX2@-231.75,-90.4
  Bottom Layer w1: 2.MX2@-243.79,-14.334 -243.765,-14.334 -243.015,-15.084 -243.015,-15.109 -241.124,-17 v1(-237,-17) ; v1(-241,-71) -239.512,-71 Z.MX2@-239.028,-71.484 -239.028,-74.972 v1(-239,-75) ; v1(-237,-33) -234.649,-33 W.MX2@-234.265,-33.384 -233.617,-34.032 -233.617,-35.382 v1(-232,-37) ; v1(-234,-90) -233.948,-90.052 -232.366,-90.052 ALT.MX2@-231.884,-90.534 ; v1(-232,-52) -229.937,-52 S.MX2@-229.503,-52.434 -229.503,-55.906 v1(-229.512,-55.916)
Net3_MX1: 3.MX1 D4.A | length 3.6
  Bottom Layer w1: D4.A@-211.406,-8.254 -211.406,-11.678 3.MX1@-211.29,-11.794
Net3_MX2: 3.MX2 D.MX2 E.MX2 U1.18 X.MX2 | length 124.8
  Top Layer w0.254: v1(-222,-71) -213.25,-79.75 v2(-199.75,-79.75) ; v2(-197.75,-77.5) -197.25,-77 -183.25,-77 -180.586,-79.664 v2(-180.586,-80.25)
  Top Layer w1: v1(-222,-71) -222,-66 -212.042,-56.042 v1(-210.453,-56.042) ; v1(-218,-33) v1(-218,-17) ; v1(-213,-52) v1(-213,-37)
  Bottom Layer w0.254: v2(-199.75,-79.75) -199.703,-79.703 -199.703,-79.453 v2(-197.75,-77.5) ; U1.18@-181.502,-79.384 -180.636,-80.25 v2(-180.586,-80.25)
  Bottom Layer w1: 3.MX2@-224.74,-14.334 -224.715,-14.334 -223.965,-15.084 -223.965,-15.109 -222.074,-17 v1(-218,-17) ; v1(-222,-71) -220.462,-71 X.MX2@-219.978,-71.484 ; v1(-218,-33) -215.599,-33 E.MX2@-215.215,-33.384 -214.592,-34.007 -214.592,-35.408 v1(-213,-37) ; v1(-213,-52) -210.999,-52 D.MX2@-210.465,-52.534 -210.453,-52.546 v1(-210.453,-56.042)
Net4_MX1: 4.MX1 D5.A | length 3.6
  Bottom Layer w1: D5.A@-192.356,-8.254 -192.356,-11.678 4.MX1@-192.241,-11.794
Net4_MX2: 4.MX2 C.MX2 F.MX2 R.MX2 U1.19 | length 103.6
  Top Layer w0.254: v1(-203,-71) -197.5,-76.5 -182.969,-76.5 -180,-79.469 v2(-180,-79.71)
  Top Layer w1: v1(-203,-71) -203,-66 -192.839,-55.839 v1(-191.458,-55.839) ; v1(-199,-33) v1(-199,-17) ; v1(-194,-52) v1(-194,-37)
  Bottom Layer w0.254: U1.19@-180.928,-78.809 -180.027,-79.71 v2(-180,-79.71)
  Bottom Layer w1: 4.MX2@-205.69,-14.334 -205.665,-14.334 -204.915,-15.084 -204.915,-15.109 -203.024,-17 v1(-199,-17) ; v1(-203,-71) -201.412,-71 C.MX2@-200.928,-71.484 ; v1(-199,-33) -196.549,-33 R.MX2@-196.165,-33.384 -195.568,-33.982 -195.568,-35.433 v1(-194,-37) ; v1(-194,-52) -191.837,-52 F.MX2@-191.403,-52.434 -191.458,-52.489 v1(-191.458,-55.839)
Net5_MX1: 5.MX1 D6.A | length 3.6
  Bottom Layer w1: D6.A@-173.306,-8.254 -173.306,-11.678 5.MX1@-173.191,-11.794
Net5_MX2: 5.MX2 G.MX2 T.MX2 U1.20 V.MX2 | length 85.3
  Top Layer w0.254: v1(-184,-71) -183.881,-71.119 -183.881,-71.619 v2(-179.75,-75.75)
  Top Layer w1: v1(-184,-71) -184,-66.75 -173.25,-56 v1(-172.25,-56) ; v1(-180,-33) v1(-180,-17) ; v1(-175,-52) v1(-175,-37)
  Bottom Layer w0.254: U1.20@-180.371,-78.253 -180.371,-78.16 -181,-77.53 -181,-77.25 -179.75,-76 v2(-179.75,-75.75)
  Bottom Layer w1: 5.MX2@-186.64,-14.334 -186.615,-14.334 -185.865,-15.084 -185.865,-15.109 -183.974,-17 v1(-180,-17) ; v1(-184,-71) -182.362,-71 V.MX2@-181.878,-71.484 ; v1(-180,-33) -177.499,-33 T.MX2@-177.115,-33.384 -176.543,-33.957 -176.543,-35.458 v1(-175,-37) ; v1(-175,-52) -172.787,-52 G.MX2@-172.353,-52.434 -172.353,-55.897 v1(-172.25,-56)
Net6_MX1: 6.MX1 D7.A | length 3.6
  Bottom Layer w1: D7.A@-154.256,-8.254 -154.256,-11.678 6.MX1@-154.141,-11.794
Net6_MX2: 6.MX2 B.MX2 H.MX2 SPACEBAR.MX2 U1.21 Y.MX2 | length 132.4
  Top Layer w0.254: v2(-176.75,-81) -178,-82.25 -178,-86.5 -174.5,-90 v1(-163,-90)
  Top Layer w1: v1(-165,-71) -165,-66 -155,-56 v1(-153.25,-56) ; v1(-164.25,-72.923) -164.25,-80.75 -163,-82 v1(-163,-90) ; v1(-161,-33) v1(-161,-17) ; v1(-156,-52) -154.747,-52 -150.743,-47.996 -150.743,-46.712 -153.6,-43.855 -153.6,-39.4 v1(-156,-37)
  Bottom Layer w0.254: U1.21@-179.796,-77.678 -179.646,-77.678 -179.074,-78.25 -178,-78.25 -176.75,-79.5 v2(-176.75,-81)
  Bottom Layer w1: 6.MX2@-167.59,-14.334 -167.565,-14.334 -166.815,-15.084 -166.815,-15.185 -165,-17 v1(-161,-17) ; v1(-165,-71) -163.312,-71 B.MX2@-162.828,-71.484 -162.853,-71.484 -163.603,-72.234 -163.603,-72.259 -164.258,-72.915 v1(-164.25,-72.923) ; v1(-163,-90) -160.626,-90 SPACEBAR.MX2@-160.346,-90.28 -160.321,-90.28 -159.571,-89.53 SPACEBAR.MX2@-159.571,-89.505 ; v1(-161,-33) -158.449,-33 Y.MX2@-158.065,-33.384 -157.518,-33.932 -157.518,-35.482 v1(-156,-37) ; v1(-156,-52) -153.737,-52 H.MX2@-153.303,-52.434 -153.25,-52.487 v1(-153.25,-56)
Net7_MX1: 7.MX1 D8.A | length 3.6
  Bottom Layer w1: D8.A@-135.206,-8.254 -135.206,-11.678 7.MX1@-135.091,-11.794
Net7_MX2: 7.MX2 K1.MX2 N.MX2 U1.25 U.MX2 | length 110.7
  Top Layer w0.254: v2(-172.25,-75) -171,-75 v2(-168.5,-72.5)
  Top Layer w1: v1(-146,-71) -146,-66 -136,-56 v1(-134,-56) ; v1(-142,-33) v1(-142,-17) ; v1(-137,-52) v1(-137,-37)
  Bottom Layer w0.254: U1.25@-175.629,-78.253 -172.424,-75.047 -172.297,-75.047 v2(-172.25,-75) ; v2(-168.5,-72.5) -165.046,-69.046 -157.704,-69.046 -155.75,-71 v1(-146,-71)
  Bottom Layer w1: 7.MX2@-148.54,-14.334 -148.515,-14.334 -147.765,-15.084 -147.765,-15.109 -145.851,-17.023 -145.023,-17.023 -145,-17 v1(-142,-17) ; v1(-146,-71) -144.262,-71 N.MX2@-143.778,-71.484 ; v1(-142,-33) -139.399,-33 U.MX2@-139.015,-33.384 -138.492,-33.907 -138.492,-35.508 v1(-137,-37) ; v1(-137,-52) -134.649,-52 K1.MX2@-134.19,-52.459 -134,-52.649 v1(-134,-56)
Net8_MX1: 8.MX1 D9.A | length 3.6
  Bottom Layer w1: D9.A@-116.156,-8.254 -116.156,-11.678 8.MX1@-116.04,-11.794
Net8_MX2: 8.MX2 I.MX2 J.MX2 M.MX2 U1.22 | length 135.2
  Top Layer w0.254: v2(-178.5,-76.5) -178.5,-76.434 -173.816,-71.75 -168.434,-71.75 -167.75,-72.434 -167.75,-72.5 v2(-167.717,-72.533)
  Top Layer w1: v1(-127,-71) -127,-66 -117.25,-56.25 v1(-115.25,-56.25) ; v1(-123,-33) v1(-123,-17) ; v1(-118,-52) v1(-118,-37)
  Bottom Layer w0.254: U1.22@-179.239,-77.121 -179.121,-77.121 v2(-178.5,-76.5) ; v2(-167.717,-72.533) -164.684,-69.5 -158.25,-69.5 -156.25,-71.5 -146.84,-71.5 -146.814,-71.504 -146.73,-71.524 -146.724,-71.526 -146.673,-71.577 -144.85,-73.4 -129.4,-73.4 v1(-127,-71)
  Bottom Layer w1: 8.MX2@-129.49,-14.334 -129.465,-14.334 -128.715,-15.084 -128.715,-15.109 -126.824,-17 v1(-123,-17) ; v1(-127,-71) -125.212,-71 M.MX2@-124.728,-71.484 ; v1(-123,-33) -120.349,-33 I.MX2@-119.965,-33.384 -119.467,-33.882 -119.467,-35.532 v1(-118,-37) ; v1(-118,-52) -115.662,-52 J.MX2@-115.228,-52.434 ; v1(-115.25,-56.25) -115.25,-52.887 -115,-52.637 J.MX2@-115.203,-52.434
Net9_MX1: 9.MX1 D10.A | length 3.6
  Bottom Layer w1: D10.A@-97.106,-8.254 -97.106,-11.678 9.MX1@-96.991,-11.794
Net9_MX2: 9.MX2 C0MMA.MX2 L.MX2 O.MX2 U1.26 | length 147.1
  Top Layer w0.254: v2(-172.25,-76) -168.25,-76 v2(-166,-73.75)
  Top Layer w1: v1(-108,-71) -108,-66 -98.01,-56.01 -96.01,-56.01 v1(-96,-56) ; v1(-104,-33) v1(-104,-17) ; v1(-99,-52) v1(-99,-37)
  Bottom Layer w0.254: U1.26@-175.072,-78.809 -175.059,-78.809 v2(-172.25,-76) ; v2(-166,-73.75) -165.65,-74.1 -114.916,-74.1 -111.816,-71 v1(-108,-71)
  Bottom Layer w1: 9.MX2@-110.44,-14.334 -110.415,-14.334 -109.665,-15.084 -109.665,-15.109 -107.774,-17 v1(-104,-17) ; v1(-108,-71) -107.948,-71.052 -106.11,-71.052 C0MMA.MX2@-105.678,-71.484 ; v1(-104,-33) -101.299,-33 O.MX2@-100.915,-33.384 -100.452,-33.847 -100.452,-35.548 v1(-99,-37) ; v1(-99,-52) -96.587,-52 L.MX2@-96.153,-52.434 -96,-52.587 v1(-96,-56)
NetA_MX1: A.MX1 D30.A | length 3.6
  Bottom Layer w1: D30.A@-235.219,-46.354 -235.219,-49.778 A.MX1@-235.103,-49.894
NetALT_MX1: ALT.MX1 D56.A | length 3.6
  Bottom Layer w1: D56.A@-218.55,-84.454 -218.55,-87.878 ALT.MX1@-218.434,-87.994
NetAPOSTRO_MX1: APOSTRO.MX1 D40.A | length 3.6
  Bottom Layer w1: D40.A@-44.719,-46.354 -44.719,-49.778 APOSTRO.MX1@-44.603,-49.894